# KiCad board mtt_final.kicad_pcb (continued)
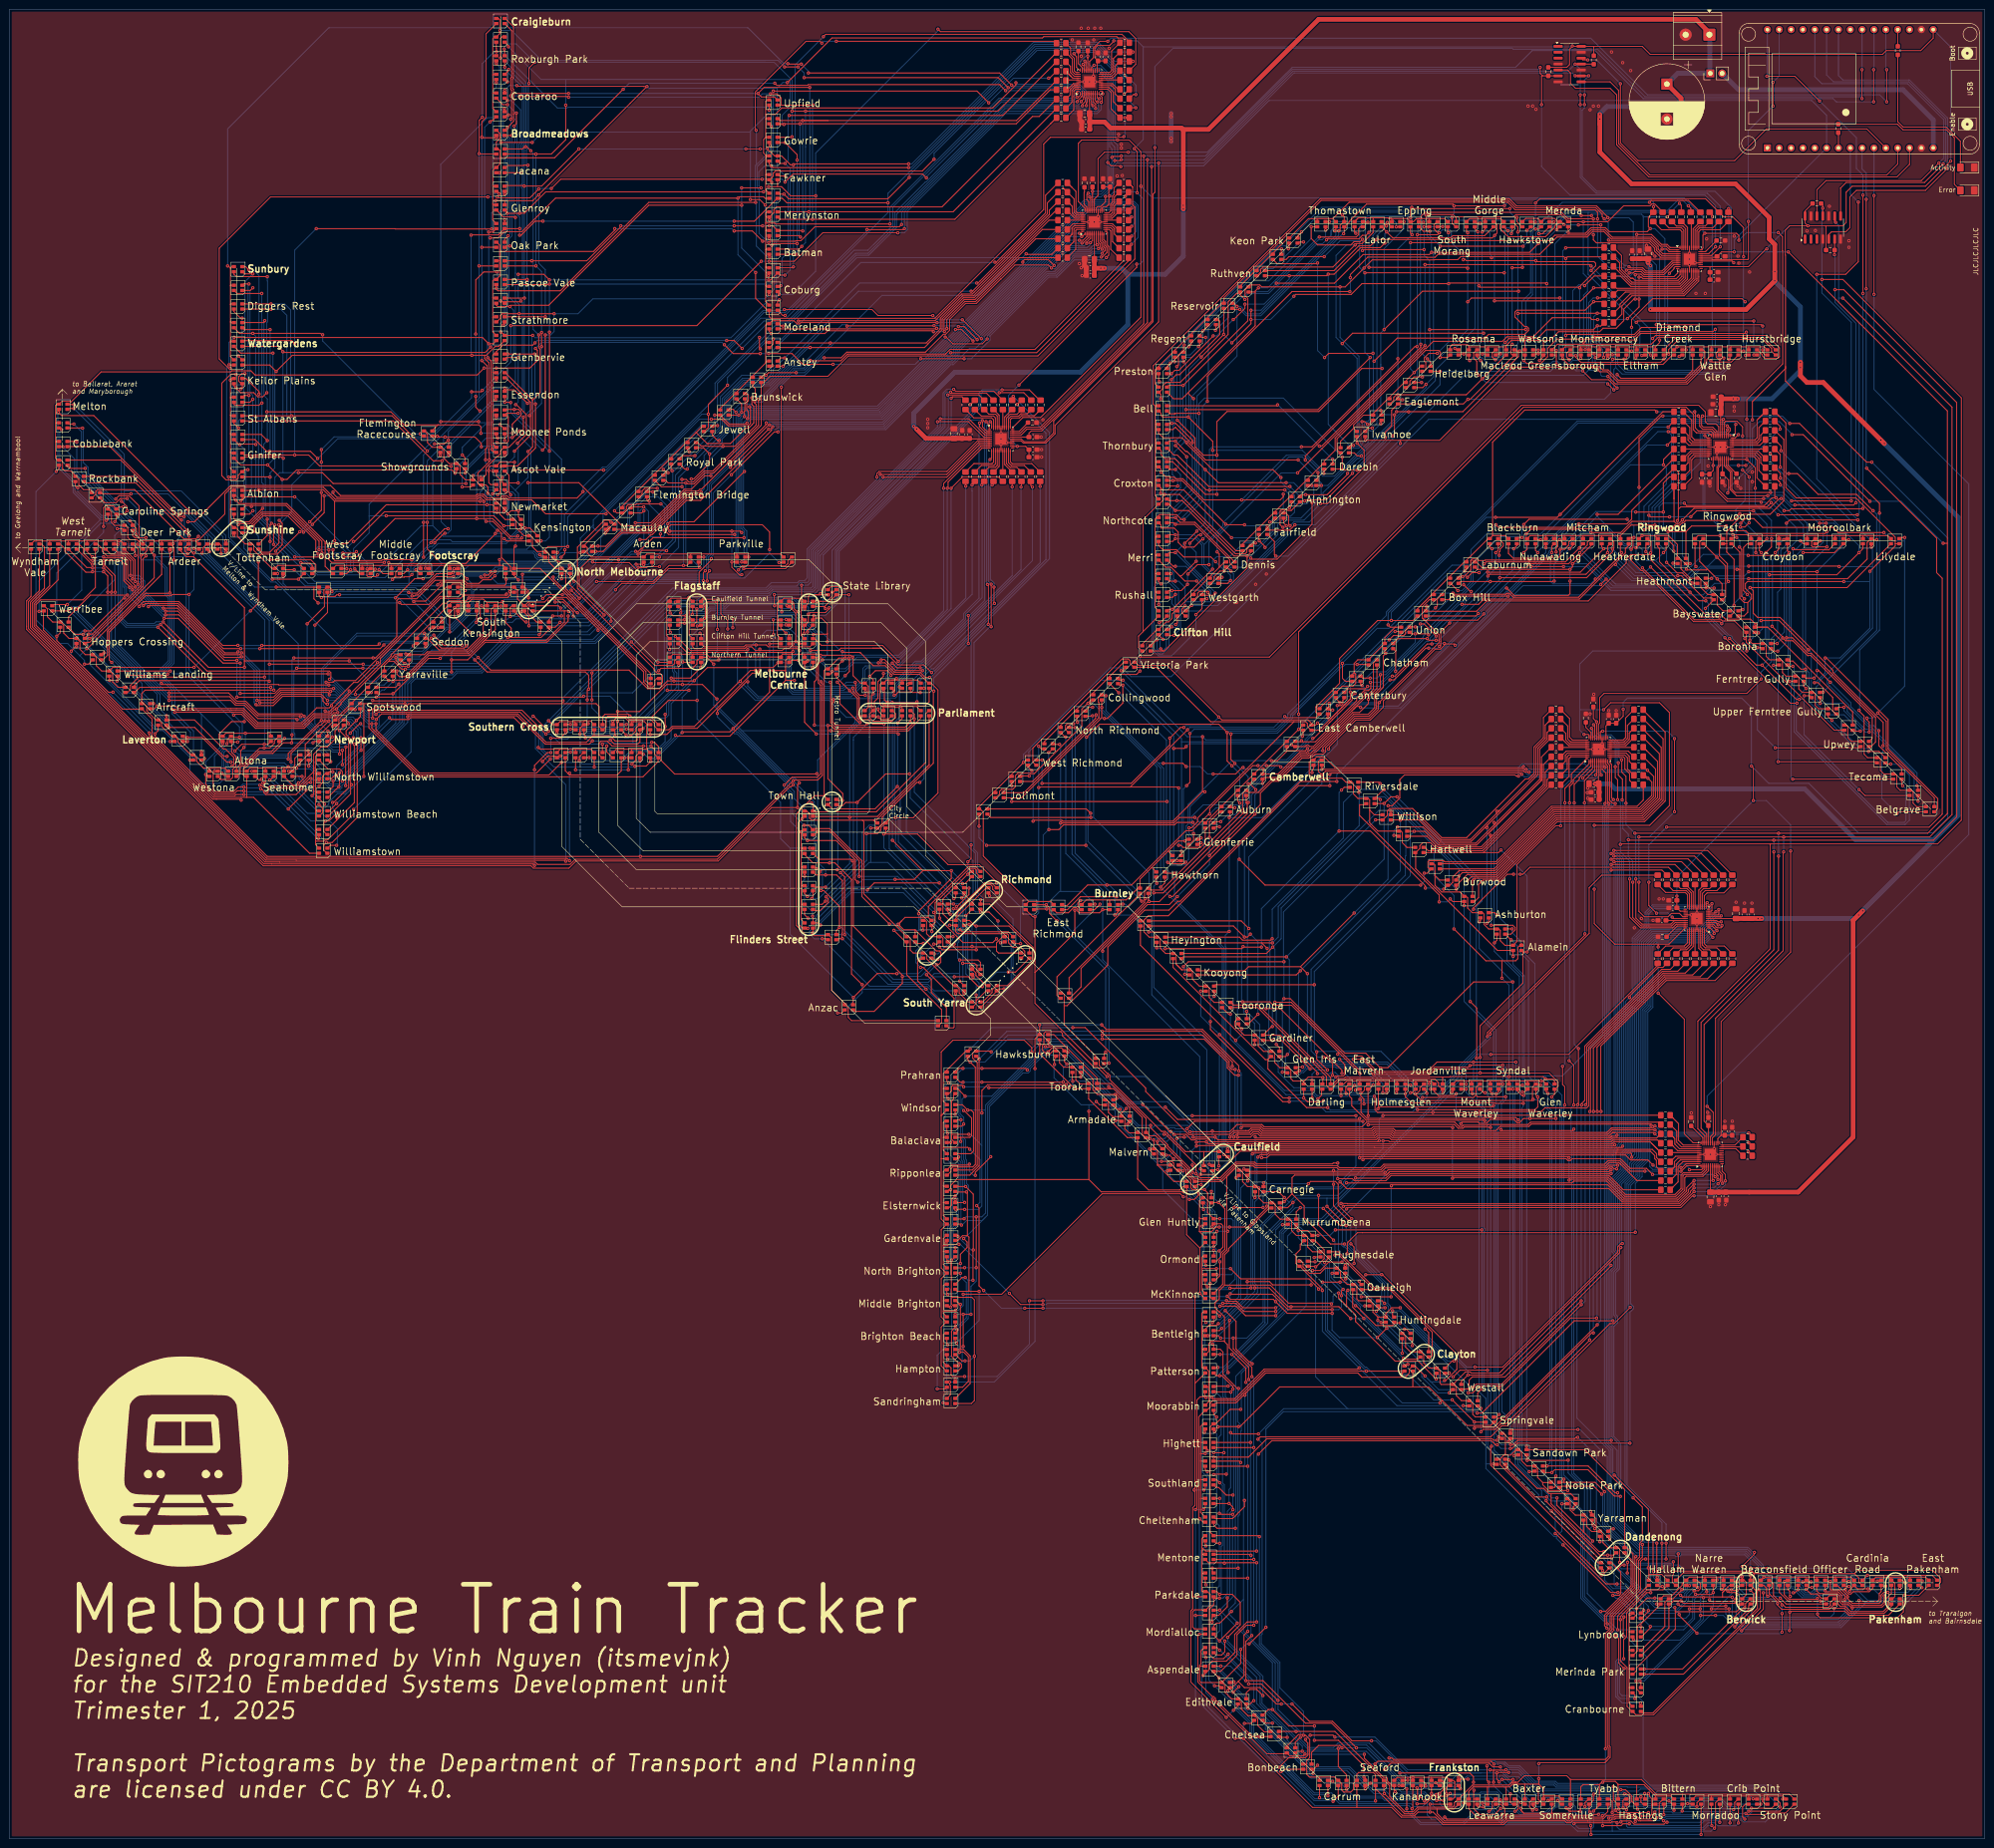
[diagram p0: board, top side]
## Routing (per net, layer and track width the routed paths; a pad name or vN(x,y) marks a point on that pad's centre or on a via; arc(x,y) is an arc through that point) (continued)
Net-(D148-GK): length 457.6
  Top w0.2: D148.4 18.9,277.75 19.9,276.75 19.9,276.23 20.97,275.16 24.43,275.16 25.4,274.2 25.4,270.42 27,268.82 v1(27,268.5) ; v1(203.08,200) 203.21,200 205.74,202.53 v1(205.74,203.92) 204.78,203.92 ; v1(192.6,247.7) 192.8,247.9 D178.4 ; D172.4 166.65,261.45 v1(166.55,261.55) ; v1(186.91,252.87) 187.04,253 187.6,253 190,250.6 195.76,250.6 v1(195.78,250.58) ; v1(163.8,250.6) 166.42,250.6 ; 166.42,250.6 166.42,252.77 167.1,253.45 ; 166.42,250.6 166.42,248.48 ; v1(144.8,261.6) 144.65,261.45 D166.4 ; v1(203.74,188.5) 207.7,188.5 208.2,188 D208.4 ; 166.42,248.48 154.46,236.53 143,236.53 v1(142.81,236.72) ; 166.42,248.48 v1(168.3,248.48) ; D202.4 203.74,183.96 v1(203.74,183.99) ; v1(68.2,243.4) 67.9,243.4 67.22,244.08 67.22,244.62 66.73,245.1 58.6,245.1 56.59,243.09 53.11,243.09 v1(52.9,243.3) ; v1(172.98,208.1) 172.63,208.45 ; D160.4 135.56,232.64 v1(135.89,232.64) ; v1(219.34,289.97) 219,290.32 R50.2 ; v1(118.4,230.9) 115.7,228.2 87.77,228.2 77.7,238.27 v1(77.7,239.18) ; 135.09,233 134.32,232.23 134.32,231.38 v1(133.49,230.55) ; v1(122.19,231.22) 122.19,232.09 123.09,233 ; v1(163.8,258.3) v1(163.8,261.5) ; v1(174.01,203.39) 174.61,203.39 177.97,200.04 v1(177.97,195.48) 177.3,194.81 D190.4 ; v1(29.82,264.32) 30.08,264.58 36.02,264.58 36.22,264.38 46.21,254.39 48.8,254.39 v1(49.03,254.62)
  Bottom w0.2: v1(29.82,264.32) 27,267.14 v1(27,268.5) ; v1(133.49,230.55) 122.86,230.55 v1(122.19,231.22) 121.87,230.9 v1(118.4,230.9) ; v1(142.81,236.72) 142.81,236.43 138.08,231.7 137.1,231.7 136.16,232.64 v1(135.89,232.64) ; v1(186.91,252.87) 186.93,252.85 186.93,252.02 186.51,251.59 183.54,251.59 183,251.05 183,248.72 181.73,247.45 179.4,247.45 178.73,246.78 168.82,246.78 168.3,247.3 v1(168.3,248.48) ; v1(144.8,261.6) 145.22,261.18 148.73,261.18 148.91,261 150.2,261 150.22,260.98 155.24,260.98 156.02,261.75 163.55,261.75 v1(163.8,261.5) 163.85,261.55 v1(166.55,261.55) ; v1(163.8,250.6) v1(163.8,258.3) ; v1(177.97,195.48) 178.4,195.48 189.5,184.38 197.08,184.38 198.3,185.6 203.74,185.6 ; 203.74,185.6 v1(203.74,183.99) ; 203.74,185.6 v1(203.74,188.5) 203.3,188.94 203.3,192.11 203.58,192.39 203.58,194.37 203.2,194.75 203.2,195.25 203.6,195.65 203.6,198.73 203.08,199.25 v1(203.08,200) ; v1(172.98,208.1) 174.02,208.1 174.32,207.8 174.32,203.7 v1(174.01,203.39) ; v1(205.74,203.92) 204.46,203.92 192.32,216.06 192.32,247.16 219.34,274.18 v1(219.34,289.97) ; v1(77.7,239.18) 76.9,239.18 74.85,241.23 72.46,241.23 70.01,243.68 68.53,243.68 68.25,243.4 v1(68.2,243.4) ; v1(49.03,254.62) 49.03,253.42 49.5,252.95 50.28,252.95 52.5,250.73 52.5,244.45 52.5,244.45 52.5,243.95 52.5,243.95 52.5,243.7 v1(52.9,243.3)
Net-(D148-RK): length 518
  Top w0.2: v1(189.71,245.31) 189.91,245.31 190.6,246 193.2,246 ; R49.2 v1(221,290.1) ; v1(135.23,231.29) 135.23,231.93 ; D166.1 143.83,260.77 v1(144.75,260.77) ; D148.1 18.45,268.42 15.8,265.76 6.74,265.76 5.71,264.74 5.71,260.31 55.3,210.72 v1(135.3,210.72) 151.82,210.72 168.05,226.95 v1(168.06,226.95) 168.2,227.1 173.3,227.1 174.29,228.09 174.29,247.94 v1(174.04,248.2) ; v1(204.16,201.83) 204.7,202.37 D214.1 ; D196.1 172.9,206.75 v1(175,206.75) 177.35,206.75 178.61,205.49 178.61,194.31 178.48,194.19 178.48,193.2 v1(178.61,193.08) 177.53,193.08 ; v1(166.5,260.4) 166.55,260.35 D172.1 ; v1(169.2,252.78) 167.63,252.78 D184.1 ; 193.2,246 193.5,246 193.6,245.9 v1(195.3,245.9) ; 193.2,246 D178.1 ; v1(124.3,231.94) 123.24,231.94 ; v1(204.7,181.3) D202.1 ; 181.36,248.04 v1(181.36,248.05) 181.45,247.96 181.45,246.14 182.3,245.3 v1(183.5,245.3) ; 208.13,185.4 207.45,186.08 207.45,187.3 206.95,187.8 v1(204.4,187.8)
  Bottom w0.2: v1(124.3,231.94) 124.97,231.26 135.2,231.26 ; 204.44,201.55 204.47,201.53 204.47,187.87 v1(204.4,187.8) ; 204.44,201.55 204.44,181.56 v1(204.7,181.3) 204.1,181.9 198.29,181.9 196.9,183.29 188.4,183.29 v1(178.61,193.08) ; 204.44,201.55 v1(204.16,201.83) ; v1(195.3,245.9) 195.3,248.6 197.65,250.95 198.17,250.95 211.99,264.77 212.04,264.77 221,273.73 v1(221,290.1) ; 170.07,252.8 170.07,256.83 v1(166.5,260.4) 155.84,260.4 155.67,260.58 147.95,260.58 147.75,260.78 145.8,260.78 v1(144.75,260.77) ; 170.07,252.8 170.05,252.78 v1(169.2,252.78) ; 170.07,252.8 170.07,252.16 v1(174.04,248.2) 174.04,248.06 174.92,247.18 178.57,247.18 179.48,248.1 181.31,248.1 v1(181.36,248.05) ; v1(183.5,245.3) 183.8,245 185.45,245 185.65,245.2 189.4,245.2 189.51,245.31 v1(189.71,245.31) ; 135.2,231.26 135.2,210.8 ; 135.2,231.26 v1(135.23,231.29) ; v1(175,206.75) 175,207.8 173.05,209.75 173.05,214.85 172.58,215.32 172.58,222.43 168.51,226.51 168.5,226.51 v1(168.06,226.95)
Net-(D149-BK): length 463.6
  Top w0.2: v1(26,271) 26,274.17 24.6,275.57 21.73,275.57 D149.2 ; v1(198.19,191.91) 198.91,191.91 D209.2 ; 195.31,188.67 195.67,188.67 ; 195.31,188.67 194.73,188.09 194.73,184.05 v1(196.53,182.25) ; 195.31,188.67 v1(194.94,188.67) ; D161.2 v1(137.4,236.9) 140.97,236.9 142.27,238.2 147.45,238.2 159.29,250.04 160.34,250.04 v1(160.9,250.6) ; D167.2 146.5,255.7 146.9,255.3 157.65,255.3 158.05,255.7 159.14,255.7 159.94,254.9 165.7,254.9 166.09,255.3 169.01,255.3 v1(169.4,254.9) ; v1(134.6,236.9) 134.6,235.7 134.4,235.5 129.88,235.5 128.78,236.6 125.4,236.6 ; v1(49.8,254.4) 49.39,253.99 46.05,253.99 36.06,263.98 v1(33.01,263.98) ; 169.8,256.35 169.65,256.35 ; 169.8,256.35 D173.2 ; 169.8,256.35 169.35,256.35 v1(169.3,256.4) ; v1(177.56,177.14) 178.44,177.14 D191.2 ; 170.5,211.13 172.29,209.34 v1(175.84,209.34) 177.01,209.34 180.56,205.78 180.56,185.51 v1(182.85,183.22) ; v1(211.1,268.5) 211.1,265.1 v1(211.2,265) ; 187.31,240.9 186.26,241.96 v1(186.26,242.36) ; 125.4,236.6 125.1,236.6 123.7,235.2 115.1,235.2 109,241.3 85.65,241.3 85.65,241.3 85.15,241.3 85.15,241.3 79.8,241.3 78.67,240.17 v1(78.67,240.1) ; 125.4,236.6 D155.2 ; v1(180.85,246.85) 180.85,246.18 182.21,244.82 182.21,240.87 v1(182.41,240.67) 182.63,240.9 D185.2 ; v1(189.27,243.77) 189.48,243.77 189.55,243.7 194.4,243.7 v1(194.6,243.9) ; D215.2 209.9,202.56 v1(210.18,202.28) ; v1(53.71,243.69) 56.59,243.69 58.4,245.5 66.9,245.5 v1(68.2,244.2) ; 211,290.7 v1(210.7,290.4)
  Bottom w0.2: v1(210.18,202.28) 215.19,197.27 215.19,183.35 211.26,179.42 199.36,179.42 v1(196.53,182.25) 182.85,182.25 ; 211.1,268.33 211.1,269.4 210.3,270.2 210.3,290.1 210.6,290.4 v1(210.7,290.4) ; v1(177.56,177.14) 178.47,177.14 182.85,181.51 182.85,182.25 ; 188.97,244.07 188.73,244.31 187.69,244.31 186.26,242.88 v1(186.26,242.36) 184.57,240.67 v1(182.41,240.67) 181.8,240.07 181.8,239.37 176.03,233.6 176.03,209.53 v1(175.84,209.34) ; 188.97,244.07 188.85,244.19 ; 188.97,244.07 v1(189.27,243.77) 188.8,244.24 ; 78.7,240 78.7,240.07 v1(78.67,240.1) 78.57,240 78.5,240 78.3,239.8 76.85,239.8 75.02,241.63 72.63,241.63 70.06,244.2 v1(68.2,244.2) ; v1(211.2,265) 211.05,265 194.6,248.55 v1(194.6,243.9) ; 182.85,182.25 v1(182.85,183.22) ; v1(198.19,191.91) 198.19,191.91 v1(194.94,188.67) ; v1(26,271) 27.8,271 29.03,269.77 29.03,267.66 32.58,264.1 32.88,264.1 v1(33.01,263.98) ; v1(49.8,254.4) 50,254.4 53.7,250.7 53.7,243.7 v1(53.71,243.69) ; v1(169.3,256.4) 169.3,255 v1(169.4,254.9) 169.4,254.52 167.64,252.76 167.64,247.06 168.32,246.38 178.9,246.38 179.4,246.88 180.82,246.88 v1(180.85,246.85) ; v1(160.9,250.6) v1(160.9,255.2) ; v1(134.6,236.9) v1(137.4,236.9)
Net-(D149-GK): length 453.8
  Top w0.2: 138.97,239.23 137.64,240.56 ; 137.64,240.56 133.34,240.56 v1(133.05,240.85) 132.7,241.2 127.7,241.2 127.2,240.7 D155.4 ; 137.64,240.56 141.28,244.2 v1(147.45,244.2) ; 212.53,291.66 212.07,292.12 204.34,292.12 201.91,289.69 ; 211.62,204.03 210.59,205.05 209.05,205.05 203.4,199.4 202.5,199.4 v1(202.4,199.5) ; D191.4 180.9,180.42 v1(180.96,180.48) 186.08,185.6 189.29,185.6 189.31,185.58 v1(190.28,185.58) ; v1(171.6,212.5) 172.25,212.5 ; 187.38,239.73 185.18,239.73 184.44,240.47 184.44,241.3 185.13,242 ; 187.38,239.73 188.65,239.73 v1(188.73,239.65) ; 187.38,239.73 189.22,239.73 190,240.5 190,241.34 189.34,242 ; v1(187.4,249.97) 187.4,249.39 186.22,248.21 186.22,244.7 185.45,243.93 185.45,242.29 185.17,242 ; v1(31.85,259.9) 41.85,249.9 v1(68.33,249.9) ; D209.4 202.3,193.5 v1(202.32,193.53) ; v1(78.67,244.9) 122.91,244.9 v1(123.11,245.1) ; v1(198.3,189.82) 197.88,189.82 ; D167.4 148.3,258.39 v1(148.07,258.62) ; 172.65,257.45 174.08,256.02 187.18,256.02 v1(190.6,252.6) ; v1(23.25,277.64) 22.64,277.64
  Bottom w0.2: v1(180.96,180.48) 167.39,194.05 167.39,212.5 ; 202.4,198.8 202.4,198.8 v1(202.4,199.5) ; 202.4,198.8 202.4,198.5 202.4,198.62 188.66,212.36 188.66,238.03 188.73,238.11 v1(188.73,239.65) ; 202.4,198.8 202.4,193.6 v1(202.32,193.53) 202.22,193.42 202.22,192.94 199.1,189.82 v1(198.3,189.82) 198.3,189 194.89,185.58 v1(190.28,185.58) ; v1(23.25,277.64) 23.3,277.58 23.3,261.6 25,259.9 v1(31.85,259.9) ; v1(148.07,258.62) 147.45,258.01 v1(147.45,244.2) 147.45,240.23 165.34,222.34 165.34,214.55 167.39,212.5 ; v1(123.11,245.1) 123.12,245.11 128.79,245.11 v1(133.05,240.85) ; 187.98,249.97 v1(187.4,249.97) 187.98,249.97 ; 187.98,249.97 v1(190.6,252.6) 201.91,263.9 v1(201.91,289.68) ; v1(171.6,212.5) 167.39,212.5 ; v1(68.33,249.9) 73.33,244.9 v1(78.67,244.9)
Net-(D149-RK): length 440.7
  Top w0.2: R52.2 v1(215,290) ; 139.1,237.9 138.3,238.7 138.3,239.29 137.5,240.09 132.96,240.09 132.25,240.8 128.3,240.8 127.95,240.45 127.95,238.57 127.28,237.9 ; 211.59,202.9 210.82,203.67 210.82,204.26 210.43,204.65 209.22,204.65 203.95,199.38 203.95,199.35 v1(203,198.4) ; D209.1 201.69,191.91 v1(202.53,191.91) ; 68.4,245.8 68.6,245.6 v1(68.6,245.4) ; 68.4,245.8 68.3,245.9 58.23,245.9 56.63,244.3 53.2,244.3 v1(53.1,244.2) ; 68.4,245.8 68.5,245.7 ; 127.13,237.9 126.45,238.58 126.45,242.85 125.8,243.5 85.65,243.5 84.95,242.8 78.45,242.8 77.9,242.25 v1(77.9,240.4) ; v1(49.8,253.55) 49.55,253.55 49.4,253.4 46.07,253.4 36.13,263.34 v1(33.49,263.34) ; 185.43,240.67 v1(186.3,240.67) 186.76,240.21 188.51,240.21 D179.1 ; D197.1 173.54,210.11 180.41,210.11 v1(180.76,209.76) 180.96,209.56 180.96,195.75 191.46,185.26 v1(191.46,184.98) 191.46,183.53 185.4,177.47 181.23,177.47 D191.1 ; D173.1 171.65,255.7 162.7,255.7 162.3,256.1 v1(160.1,256.1) 159.6,256.1 159.59,256.1 157.88,256.1 157.49,255.71 148.95,255.71 D167.1 ; D161.1 141.4,237.9 142.1,238.6 146.86,238.6 158.9,250.64 v1(160,250.64) ; v1(26.4,270.27) 26.4,270.4 26.6,270.6 26.6,274.13 24.77,275.97 23.13,275.97 D149.1 ; v1(183.9,239.2) 183.55,238.85 177.22,238.85 176.49,239.57 176.49,243.69 176.7,243.9 v1(176.7,244.4) ; v1(199.1,188.67) 197.93,188.67
  Bottom w0.2: v1(33.49,263.34) 32.78,263.34 28.63,267.49 28.63,269.57 27.9,270.3 26.43,270.3 v1(26.4,270.27) ; v1(53.1,244.2) 53.1,250.7 50.3,253.5 49.85,253.5 v1(49.8,253.55) ; v1(160.1,256.1) 160,256 v1(160,250.64) ; v1(186.3,240.67) 185.89,240.67 184.42,239.2 v1(183.9,239.2) 180.96,236.26 180.96,235.74 180.96,235.74 180.96,209.96 v1(180.76,209.76) ; v1(191.46,184.98) 195.42,184.98 v1(199.1,188.67) 202.35,191.91 v1(202.53,191.91) 203.18,192.55 203.18,194.21 202.8,194.59 202.8,195.5 203,195.7 203,195.7 v1(203,198.4) ; v1(156.7,248.3) 160.4,244.6 176,244.6 176.2,244.4 v1(176.7,244.4) 176.9,244.6 186.5,244.6 186.61,244.71 189.96,244.71 190.31,245.06 190.31,245.56 190.25,245.62 190.25,247.48 194.59,251.81 195.84,251.81 215,270.97 v1(215,290) ; v1(68.6,245.4) 69.99,245.4 72.5,242.9 74.32,242.9 76.62,240.6 77.7,240.6 v1(77.9,240.4)
Net-(D150-BK): length 441.6
  Top w0.2: D216.2 204.88,204.88 v1(204.37,204.88) ; v1(145.7,246.37) 141.04,246.37 v1(141.04,246.37) ; 68.45,246.35 68.65,246.15 v1(68.9,246.15) ; v1(78.6,241.2) 79.1,241.7 109.45,241.7 v1(112.63,238.53) ; v1(194.97,198.42) 194.97,199.01 201.94,205.98 v1(201.94,207.66) 195.85,207.66 ; v1(48.8,244.9) 56.67,244.9 58.12,246.35 68.4,246.35 ; v1(195.85,194.9) 195.9,194.95 D210.2 ; v1(183.55,246.13) 183.4,246.28 D186.2 ; v1(48.8,252.8) 46.1,252.8 36.36,262.54 v1(33.49,262.54) ; D180.2 v1(187.4,246.2) 187.6,246 187.6,244.3 187.99,243.91 188.19,243.91 v1(188.4,243.7) ; v1(181.9,205.2) 181.36,205.74 181.36,210.01 177.25,214.13 v1(171.11,214.13) 170.5,214.74 D198.2 ; v1(163,256.3) 163.05,256.35 D174.2 ; v1(189.65,194.87) 192.12,192.4 ; R57.2 205,290.2 v1(205.05,290.15) ; v1(189.9,205.8) 193.99,205.8 195.85,207.66 ; D168.2 141.6,255.13 v1(141.57,255.1) ; 195.85,207.66 v1(189.33,214.18) ; v1(125.4,229.9) D156.2 ; v1(144.24,237.29) 144.39,237.45 154.48,237.45 v1(155.17,238.14) 162.99,245.97 v1(162.99,250.64) ; D162.2 137.4,231.22 v1(137.52,231.1) 136.52,230.1 134.16,230.1 v1(134.11,230.05) ; D150.2 27,274.3 v1(27,269.7) ; 199.21,174.4 199.87,175.06 199.87,177.87 192.4,185.34 D204.2
  Bottom w0.2: 194.97,194.9 v1(195.85,194.9) ; 194.97,194.9 194.94,194.87 v1(189.65,194.87) ; 194.97,194.9 v1(194.97,198.42) ; 145.7,246.3 144.24,244.84 v1(144.24,237.29) 138.05,231.1 v1(137.52,231.1) ; v1(27,269.7) 27.85,269.7 28.23,269.32 28.23,267.33 33.01,262.54 v1(33.49,262.54) ; v1(68.9,246.15) 69.25,246.15 69.25,246.15 69.81,246.15 72.66,243.3 74.49,243.3 76.69,241.1 78.3,241.1 78.4,241.2 v1(78.6,241.2) ; v1(162.99,250.64) 162.99,254.69 163,254.7 v1(163,256.3) ; v1(201.94,207.66) 204.37,205.24 v1(204.37,204.88) ; v1(134.11,230.05) 133.96,229.9 v1(125.4,229.9) 116.75,229.9 112.8,233.85 112.8,238.35 v1(112.63,238.53) ; v1(188.4,243.7) 188.49,243.7 189.33,242.86 v1(189.33,214.18) ; v1(141.04,246.37) 141.04,254.57 v1(141.57,255.1) ; v1(181.9,205.2) 182.43,205.2 183,205.77 189.87,205.77 ; v1(205.05,290.15) 205.05,266.17 190.87,251.99 190.59,251.99 188,249.4 188,246.8 v1(187.4,246.2) 183.62,246.2 v1(183.55,246.13) ; v1(48.8,252.8) v1(48.8,244.9) ; v1(155.17,238.14) 155.87,237.45 156.15,237.45 167.14,226.45 167.14,225.8 168.3,224.64 168.3,223.11 171.11,220.3 v1(171.11,214.13)
Net-(D150-GK): length 428.7
  Top w0.2: v1(170.4,217.4) 171.35,217.4 D198.4 ; v1(27.6,269.1) 27.62,269.12 27.62,276.65 26.52,277.75 ; 143.23,257.45 v1(142.78,257.9) ; v1(167.2,258) D174.4 ; 190.92,195.82 191.76,194.98 194.2,194.98 ; 190.92,195.82 v1(190.57,196.17) 191.3,196.9 ; 190.92,195.82 190.92,196.52 191.3,196.9 ; v1(158.3,248.2) 158.02,248.2 151.8,241.98 v1(151.8,241.4) ; D192.4 200.9,178.31 197.67,181.53 197.67,184.32 v1(196.64,185.35) ; v1(188.7,196.2) 182.8,202.1 182.8,209.76 175.86,216.69 172.54,216.69 ; 197.05,197.65 197.05,199.98 205.64,208.56 207.14,208.56 D216.4 ; 197.05,197.65 192.05,197.65 191.3,196.9 ; 197.05,197.65 D210.4 ; 194.2,194.98 198.73,190.45 199.41,190.45 199.7,190.15 199.7,188 199.2,187.5 v1(198.78,187.5) ; 194.2,194.98 D204.4 ; v1(49.5,245.7) 56.9,245.7 57.95,246.75 v1(69.5,246.75) ; v1(127.16,234.82) 127.16,233.04 ; v1(49.5,252.2) 45.8,252.2 36.2,261.8 v1(33.18,261.8) ; v1(158.3,255.1) 158.22,255.1 158.02,254.9 146.01,254.9 144.15,256.77 143.47,257.45 ; v1(115.04,236.99) 115.01,236.99 109.9,242.1 v1(78.6,242.1) ; v1(188.6,247.95) 188.65,247.9 189.09,247.9 ; D186.4 185.2,248.65 v1(184.48,249.36) 185.69,250.57 188.28,250.57 189.01,249.84 v1(189.01,249.56) ; v1(137.73,235.2) 138.28,235.2 139.2,234.28 D162.4 ; v1(206.4,290.4) 207,291
  Bottom w0.2: v1(206.4,290.4) 206.4,289.17 206.43,289.15 206.43,266.98 v1(189.01,249.56) 188.6,249.15 v1(188.6,247.95) ; v1(170.4,217.4) 167.9,219.9 167.9,224.27 166.74,225.43 166.74,226.29 155.98,237.05 155.42,237.05 151.8,240.66 v1(151.8,241.4) ; v1(188.7,196.2) 190.55,196.2 v1(190.57,196.17) ; v1(115.04,236.99) 115.09,236.95 116.05,236.95 118.18,234.82 v1(127.16,234.82) 127.41,235.08 133.8,235.08 ; v1(167.2,258) 167.2,258.77 166.73,259.23 162.35,259.23 158.3,255.18 v1(158.3,255.1) v1(158.3,248.2) 158.3,247.27 160.57,245 180.5,245 184.48,248.98 v1(184.48,249.36) ; v1(142.78,257.9) 142.58,257.7 142.58,250.59 143.1,250.07 143.1,247 133.7,237.6 133.7,235.18 133.8,235.08 ; v1(27.6,269.1) 27.6,267.38 v1(33.18,261.8) ; v1(198.78,187.5) v1(196.64,185.35) ; v1(137.73,235.2) 137.6,235.08 133.8,235.08 ; v1(78.6,242.1) 78,241.5 76.85,241.5 74.65,243.7 72.83,243.7 69.78,246.75 v1(69.5,246.75) ; v1(49.5,252.2) 49.5,245.8
Net-(D150-RK): length 450.9
  Top w0.2: v1(195.95,192.06) 194.54,192.06 D204.1 ; 197.79,195.9 198.49,196.59 198.49,198.7 ; v1(77.1,242.1) 77.1,238.3 87.6,227.8 135.83,227.8 139.09,231.06 139.09,231.9 138.32,232.67 138.32,233.66 v1(137.56,234.41) ; 172.57,215.35 173.01,215.79 v1(173.26,216.04) 173.31,216.09 175.9,216.09 182.2,209.79 v1(182.2,206.44) ; R55.2 208.5,290.69 v1(208.5,290.4) ; v1(184.85,242.85) 184.85,243.79 184.85,243.79 184.85,245.25 v1(185.2,245.6) D186.1 ; D174.1 167.95,256.35 v1(168,256.3) ; v1(173.13,228.47) 173.07,228.42 142.63,228.42 139.15,231.9 ; v1(168,254.69) 167.81,254.5 145.25,254.5 D168.1 ; 26.45,276.55 27.02,275.98 v1(27.02,275.25) ; v1(135.92,234.41) 129.22,234.41 128.22,235.42 126.85,235.42 126.43,235 126.43,232.56 127.09,231.9 ; v1(68.5,247.5) 57.8,247.5 57.7,247.6 32.85,247.6 v1(32.6,247.84) ; D192.1 201.36,173.94 202.39,173.94 202.55,174.11 202.55,180.28 195.92,186.92 v1(195.37,186.92) ; D180.1 189.55,246.45 189.55,246.13 v1(189.58,246.1) ; v1(198.19,198.7) 198.49,198.7 ; 198.49,198.7 198.49,200.77 205.87,208.16 206.96,208.16 207.32,207.8 207.32,207.17 208.09,206.4 ; 197.79,195.86 v1(197.79,194.61)
  Bottom w0.2: 181.34,240.56 179.44,240.56 175.8,244.2 159.95,244.2 156.1,248.05 v1(156.1,254.2) ; 181.34,240.56 183.64,242.85 v1(184.85,242.85) ; 181.34,240.56 181.34,239.48 173.3,231.43 173.3,216.1 ; v1(208.5,290.4) 208.5,290.2 208.55,290.15 208.55,266.22 204.99,262.66 204.99,261.8 205,261.8 205,261.53 195.68,252.21 194.42,252.21 189.85,247.64 189.85,246.25 189.7,246.1 v1(189.58,246.1) 189.08,245.6 v1(185.2,245.6) ; v1(27.02,275.25) 27.09,275.33 27.41,275.33 28.42,274.32 31.52,274.32 33.41,272.43 33.41,266.82 34.09,266.14 34.09,252.65 32.4,250.96 32.4,248.04 v1(32.6,247.84) ; v1(68.5,247.5) 69.6,247.5 73,244.1 75.1,244.1 77.1,242.1 v1(77.1,242.1) ; v1(195.37,186.92) 194.34,187.95 194.34,190.45 v1(195.95,192.06) 197.79,193.9 v1(197.79,194.61) ; v1(182.2,206.44) 190.45,206.44 v1(198.19,198.7) ; v1(168,254.69) v1(168,256.3) ; v1(137.56,234.41) v1(135.92,234.41)
Net-(D217-BK): length 384.2
  Top w0.2: v1(331.71,345.19) 331.79,345.19 D217.2 ; D247.2 246.92,281.78 246.92,281.16 249.74,281.16 250.6,280.3 250.6,278.1 251.62,277.08 v1(252.02,277.08) 254.01,277.08 255.76,278.83 v1(255.89,278.83) ; 353.1,324.8 375.6,324.8 v1(375.9,324.5) ; v1(352.46,317.74) 352.46,317.86 D259.2 ; 303.12,314.58 303.68,315.15 303.68,316.67 303.37,316.98 303.37,317.7 304.33,318.65 v1(306.14,318.65) ; D235.2 260.4,326.33 260.35,326.28 v1(260.35,322.7) 260.35,322.68 v1(255.54,317.86) ; v1(262.1,320.9) 266.2,325 v1(266.2,325.9) v1(266.2,327.9) ; D253.2 376.45,318.3 375.9,318.85 v1(375.9,319.4) ; v1(337,348.2) v1(339.2,348.2) ; v1(328.06,317.12) 328.9,317.96 D265.2 ; v1(355.45,347.92) R61.2 ; D223.2 308.4,344.65 v1(308.54,344.51) ; v1(261.91,271.93) 261.04,272.8 ; v1(258,297.85) 258,299.76 v1(252.77,304.99) 247.27,304.99 246.92,305.33 246.92,305.77 D241.2 ; v1(281.81,292.89) 281.9,292.98 D277.2 ; v1(275.4,330.9) 275.8,331.3 287.7,331.3 290,333.6 v1(308.57,333.6) 308.71,333.74 329.36,333.74 329.6,333.5 ; v1(284.17,344.93) 284.4,345.15 D229.2
  Bottom w0.2: v1(352.46,317.74) 352.46,318.02 352.52,318.08 352.52,321.18 353.14,321.8 353.14,337.56 350.31,340.39 350.31,347.9 ; v1(255.89,278.83) 258,280.93 v1(258,297.85) 277.19,297.85 281.81,293.23 v1(281.81,292.89) ; v1(328.06,317.12) 329.6,318.66 v1(329.6,333.6) 329.6,343.08 v1(331.71,345.19) 331.71,345.95 333.96,348.2 v1(337,348.2) ; 350.31,347.9 350.33,347.92 v1(355.45,347.92) ; 350.31,347.9 350.31,348.09 349.91,348.49 339.39,348.49 339.2,348.3 v1(339.2,348.2) ; v1(375.9,319.4) v1(375.9,324.5) ; v1(255.54,317.86) 252.87,315.2 252.87,305.09 v1(252.77,304.99) ; v1(308.54,344.51) 308.54,342.18 308.57,342.14 v1(308.57,333.6) 308.57,321.08 v1(306.14,318.65) ; v1(284.17,344.93) 284.4,344.7 284.4,343.95 268.35,327.9 v1(266.2,327.9) ; v1(252.02,277.08) 252.02,274.43 257.14,269.31 262.06,269.31 262.46,269.71 262.46,271.38 v1(261.91,271.93) ; v1(275.4,330.9) 270.4,325.9 v1(266.2,325.9) ; v1(262.1,320.9) 262.1,320.95 v1(260.35,322.7)
  vias: v1(353.1,324.8)
Net-(D217-GK): length 367.1
  Top w0.2: 337.5,320.6 352,320.6 353.5,322.1 356.74,322.1 356.77,322.07 358.8,322.07 ; 337.5,320.6 v1(337.5,321.1) ; 337.5,320.6 331.9,320.6 D265.4 ; v1(302.6,320.6) 302.6,319.97 281.38,298.75 v1(280.85,298.75) ; 337.4,346.9 342.7,346.9 346.1,350.3 351.74,350.3 352.14,350.7 352.75,350.7 354.45,349 ; 337.4,346.9 D217.4 332.7,348.4 322.97,348.4 322.53,347.95 309.98,347.95 ; 337.4,346.9 v1(337.45,346.85) ; D271.4 304.7,316.79 v1(304.02,317.47) ; D259.4 357.37,322.07 358.8,322.07 ; D247.4 v1(250,283.4) 251,282.4 254.2,282.4 D283.4 ; D223.4 310.2,347.73 309.98,347.95 ; 358.8,322.07 376.03,322.07 D253.4 ; v1(303.72,348.3) 303.83,348.41 309.51,348.41 309.98,347.95 ; D229.4 286.2,347.97 v1(285.76,348.4) ; v1(271.9,307.6) 271.7,307.4 D241.4 ; v1(283.7,295.9) 283.7,295.9 D277.4 ; 262.53,329.4 v1(263.21,328.72) ; v1(285.01,344.93) 285.32,345.24 285.32,346.13 286.09,346.9
  Bottom w0.2: v1(337.5,321.1) 337.5,331.11 338.35,331.95 338.35,334.88 337.45,335.77 v1(337.45,346.85) ; 302.54,348.4 303.62,348.4 v1(303.72,348.3) ; 302.54,348.4 302.54,318.95 v1(304.02,317.47) ; 302.54,348.4 302.02,348.92 286.28,348.92 v1(285.76,348.4) ; v1(250,283.4) 250.04,283.4 254.62,287.98 254.62,304.59 254.43,304.78 254.43,306.93 254.63,307.13 254.63,309.49 263.21,318.07 v1(263.21,328.72) 264.02,328.72 264.41,328.33 264.41,328.05 265.33,327.13 268.15,327.13 285.01,343.99 v1(285.01,344.93) ; v1(283.7,295.9) v1(280.85,298.75) 272,307.6 v1(271.9,307.6)
Net-(D217-RK): length 375.5
  Top w0.2: v1(288.95,293.58) 286.02,293.58 285.76,293.84 ; v1(285.76,296.4) 285.76,293.84 ; 285.76,293.84 283.74,293.84 ; v1(306.73,314.77) 304.73,314.77 ; v1(286.06,344.31) 286.2,344.46 D229.1 ; 249.99,305.68 249.84,305.68 ; 249.84,305.68 249.94,305.78 v1(255.04,305.78) ; 249.84,305.68 248.83,305.68 D241.1 ; v1(263.81,328.08) 262.42,328.08 ; 331.66,318.3 331.66,318.02 v1(331.66,316.29) ; 331.66,318.3 D265.1 ; 331.66,318.3 v1(331.66,319.28) ; D217.1 v1(334.2,344.6) 334.4,344.4 337.92,344.4 339.12,345.6 342.18,345.6 343.03,344.75 351.15,344.75 v1(351.8,345.4) 351.4,345.8 351.4,347.87 R59.2 ; 286.28,345.8 287.28,346.8 287.28,346.96 290.97,350.65 309.52,350.65 309.72,350.44 v1(309.72,350.3) 320.5,350.3 v1(320.55,350.35) ; 310.09,345.8 309.32,346.57 309.32,347.71 309.29,347.74 v1(309.29,347.8) ; 262.56,272.8 261.67,273.69 261.67,274.36 254.07,281.96 v1(249.99,281.96) 249.65,282.3 D247.1 ; v1(352.5,350.1) 352.5,348.97 ; 378.59,318.3 377.82,319.07 377.82,319.7 375.89,321.63 357.89,321.63 355.75,319.49 v1(355.75,318.48) 354.88,318.48
  Bottom w0.2: v1(352.5,350.1) 352.5,351.05 351.89,351.65 321.85,351.65 v1(320.55,350.35) ; v1(334.2,344.6) 333.8,344.6 331.37,342.17 331.37,319.57 v1(331.66,319.28) ; v1(309.72,350.3) 309.72,348.59 309.29,348.15 v1(309.29,347.8) ; v1(331.66,316.29) 331.66,316.06 330.37,314.77 v1(306.73,314.77) 306.73,311.92 296,301.2 296,300.63 v1(288.95,293.58) ; v1(249.99,281.96) 255.04,287.01 v1(255.04,305.78) 255.04,307.85 256.25,309.05 273.15,309.05 285.76,296.44 v1(285.76,296.4) ; v1(286.06,344.31) 285.9,344.31 268.31,326.73 265.17,326.73 v1(263.81,328.08) ; v1(351.8,345.4) 352.79,345.4 354.93,343.25 354.93,337.32 354.93,337.31 354.93,336.68 354.93,336.67 354.93,319.29 v1(355.75,318.48)
Net-(D218-BK): length 378.1
  Top w0.2: D242.2 246.4,301.52 247.39,300.53 251.41,300.53 v1(252.4,299.55) 252.4,299.26 257.96,293.69 270.94,293.69 v1(272.62,292.01) ; v1(303.3,345.81) 304.39,345.81 ; v1(279.25,290.3) D278.2 ; 257.51,269.3 258.28,270.07 258.28,270.71 259.5,271.93 v1(260.45,271.93) ; D260.2 348.9,317.9 v1(348.7,317.7) ; v1(290.1,343.12) 289.59,342.6 288.3,342.6 287.6,341.9 280.5,341.9 279.11,343.29 v1(279.11,345.81) 280.39,345.81 ; v1(372.2,318.2) 372.8,318.2 ; v1(303.3,340.9) 290.3,340.9 v1(290.1,340.7) ; v1(304.5,323.74) 325.04,323.74 v1(325.1,323.8) ; D248.2 246.4,277.42 247.28,276.55 250.19,276.55 251.78,274.96 257.61,274.96 v1(258.62,273.95) ; v1(327.2,345.32) 327.92,345.32 D218.2 ; R64.2 360.04,351.43 352.02,351.43 v1(351.64,351.05) ; D266.2 324.9,317.31 v1(324.69,317.11) 325.34,316.46 328.32,316.46 329.8,317.94 329.8,319.7 331.8,321.7 339.32,321.7 339.52,321.5 348.67,321.5 v1(348.7,321.47) 348.7,321.86 349.75,322.91 372.11,322.91 v1(372.4,323.2) ; 299.51,311.3 300.28,312.07 300.28,312.71 301.16,313.59 v1(302.95,313.59) ; v1(255.92,323.5) 256.9,324.47 D236.2
  Bottom w0.2: v1(351.64,351.05) 332.93,351.05 v1(327.2,345.32) 326.56,344.68 326.56,331.22 325.1,329.76 325.1,317.51 v1(324.69,317.11) ; 260.45,272.12 v1(258.62,273.95) ; 260.45,272.12 v1(260.45,271.93) ; 260.45,272.12 265.66,277.32 267.75,277.32 270.82,280.39 270.82,282.32 272.21,283.71 274.71,283.71 275.53,284.53 275.53,286.38 ; 275.53,286.38 278.2,286.38 279.67,287.86 279.67,289.88 v1(279.25,290.3) ; 275.53,286.38 275.53,288.18 272.62,291.09 v1(272.62,292.01) ; v1(302.95,313.59) 302.95,314.55 304.63,316.23 304.63,323.61 v1(304.5,323.74) 304.5,338.5 303.3,339.7 v1(303.3,345.81) ; v1(348.7,317.7) v1(348.7,321.47) ; v1(372.4,323.2) 372.4,318.4 v1(372.2,318.2) ; v1(279.11,345.81) 279.11,343.29 270.03,334.2 266.7,334.2 260.65,328.15 260.65,327.35 259.67,326.37 259.42,326.37 257.06,324.01 257.06,323.5 ; v1(252.4,299.55) 253.37,300.52 253.37,305.24 253.28,305.33 253.28,309.19 257.06,312.97 257.06,323.5 ; 257.06,323.5 v1(255.92,323.5) ; v1(290.1,343.12) v1(290.1,340.7)
